# Altium PCB PCB1.PcbDoc (part 1 of 2) (continued)
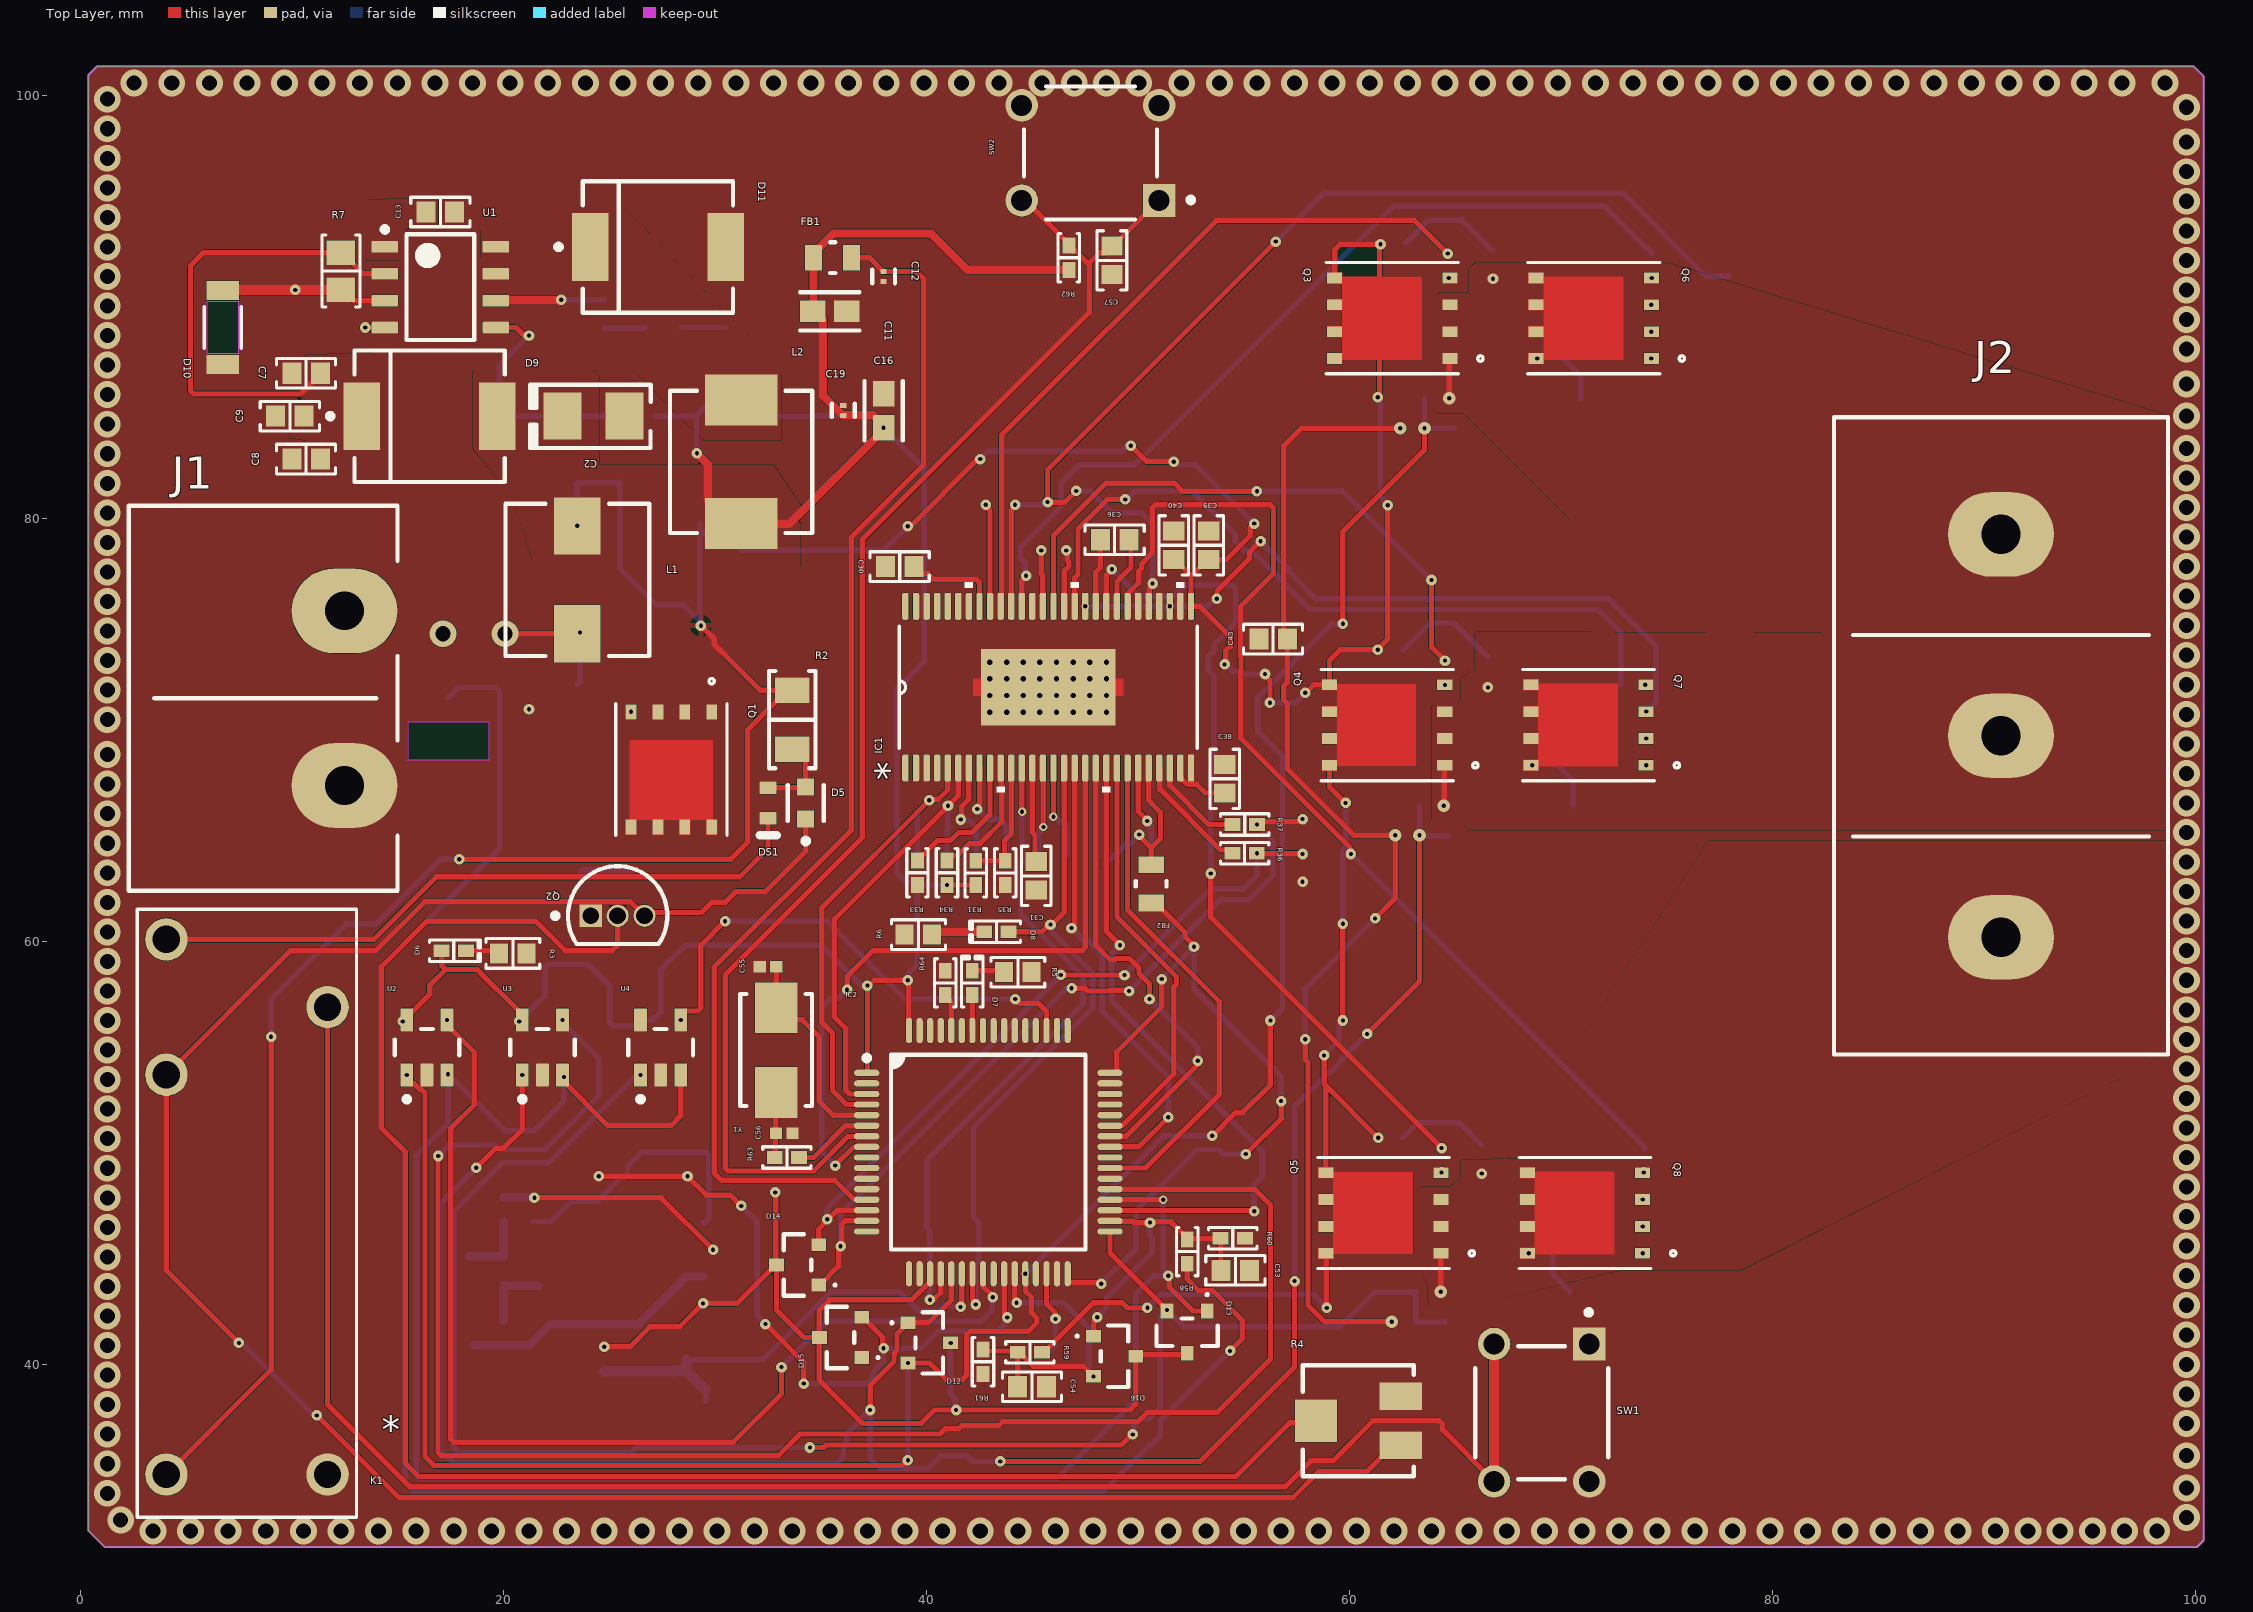
[diagram p0: Top Layer view]
## Components (designator, comment, footprint, x,y, rotation, side; value= is the part's Value field where it differs from the comment)
C1 "100 µF" "CAP POL 1411_3528" 23.622,76.073 r90 bottom
C2 "100 µF" "CAP POL 1411_3528" 24.257,84.836 r0 top
C3 "100 µF" "CAP POL 1411_3528" 30.734,79.756 r0 bottom
C4 "100 µF" "CAP POL 1411_3528" 30.734,74.93 r0 bottom
C5 "4700pF" "CAP 0603_1608" 24.765,89.662 r90 bottom
C6 "4700pF" "CAP 0603_1608" 22.733,89.662 r90 bottom
C7 "4700pF" "CAP 0603_1608" 10.668,86.868 r0 top
C8 "4700pF" "CAP 0603_1608" 10.668,82.804 r0 top
C9 "4700pF" "CAP 0603_1608" 9.906,84.836 r0 top
C10 "4700pF" "CAP 0603_1608" 12.7,89.027 r0 bottom
C11 "GRM188R60J106ME47D" FP-GRM188-0_1-e0_2_0_55-IPC_A 35.433,89.789 r0 top
C12 "GRM033R60J104KE19D" FP-GRM033-0_03-MFG 37.973,91.44 r270 top
C13 "1000pF" "CAP 0603_1608" 17.018,94.488 r180 top
C14 "1000pF" "CAP 0603_1608" 29.845,83.058 r0 bottom
C15 "1000pF" "CAP 0603_1608" 29.805,84.836 r0 bottom
C16 "GRM188R60J106ME47D" FP-GRM188-0_1-e0_2_0_55-IPC_A 37.973,85.09 r90 top
C17 "GRM155R61A105KE15D" FP-GRM15-0_1-MFG 37.592,85.09 r90 bottom value=1uF
C18 "GRM033R60J104KE19D" FP-GRM033-0_03-MFG 36.068,85.106 r90 bottom
C19 "GRM033R60J104KE19D" FP-GRM033-0_03-MFG 36.068,85.106 r90 top
C20 "GRM033R60J104KE19D" FP-GRM033-0_03-MFG 34.544,85.09 r90 bottom
C21 "GRM033R60J104KE19D" FP-GRM033-0_03-MFG 33.02,84.582 r270 bottom
C22 "10nF" "CAP 0603_1608" 66.788,92.006 r90 bottom
C23 "10nF" "CAP 0603_1608" 66.548,72.771 r90 bottom
C24 "10nF" "CAP 0603_1608" 66.253,49.7 r90 bottom
C25 "10nF" "CAP 0603_1608" 71.614,85.656 r180 bottom
C26 "10nF" "CAP 0603_1608" 71.247,66.421 r180 bottom
C27 "10nF" "CAP 0603_1608" 71.079,43.416 r180 bottom
C28 "1nF" "CAP 0603_1608" 80.885,88.069 r90 bottom
C29 "1nF" "CAP 0603_1608" 80.772,69.977 r270 bottom
C30 "100nF" "CAP 0603_1608" 38.735,77.724 r180 top
C31 "2.2uF" "CAP 0603_1608" 45.195,63.099 r90 top
C32 "100nF" "CAP 0603_1608" 43.561,80.645 r180 bottom
C33 "22nF" "CAP 0603_1608" 45.961,64.13 r0 bottom
C34 "100nF" "CAP 0603_1608" 46.101,78.486 r180 bottom
C35 "1uF" "CAP 0603_1608" 50.876,63.489 r180 bottom
C36 "100nF" "CAP 0603_1608" 48.895,78.994 r180 top
C37 "100nF" "CAP 0603_1608" 48.423,62.981 r270 bottom
C38 "1uF" "CAP 0603_1608" 54.102,67.691 r90 top
C39 "0.1upF" "CAP 0603_1608" 53.347,78.729 r270 top
C40 "4.7uF" "CAP 0603_1608" 51.696,78.729 r270 top
C41 "2.2nF" "CAP 0603_1608" 57.785,63.5 r270 bottom
C42 "2.2nF" "CAP 0603_1608" 57.785,66.548 r90 bottom
C43 "1nF" "CAP 0603_1608" 56.388,74.295 r180 top
C44 "1nF" "CAP 0603_1608" 15.24,56.896 r270 bottom
C45 "1nF" "CAP 0603_1608" 15.24,53.086 r90 bottom
C46 "1nF" "CAP 0603_1608" 20.701,56.896 r270 bottom
C47 "1nF" "CAP 0603_1608" 20.701,52.959 r90 bottom
C48 "1nF" "CAP 0603_1608" 26.289,56.896 r270 bottom
C49 "1nF" "CAP 0603_1608" 26.289,52.959 r90 bottom
C50 "10nF" "CAP 0603_1608" 20.007,44.412 r90 bottom
C51 "10nF" "CAP 0603_1608" 28.008,48.857 r0 bottom
C52 "10nF" "CAP 0603_1608" 33.528,48.133 r180 bottom
C53 "1nF" "CAP 0603_1608" 54.61,44.45 r180 top
C54 "1nF" "CAP 0603_1608" 44.991,38.944 r180 top
C55 "0402YA240JAT2A" CAPC1005X56X25LL10T15 32.512,58.801 r180 top value=8pF
C56 "0402YA240JAT2A" CAPC1005X56X25LL10T15 33.274,50.927 r0 top value=8pF
C57 "100nF" "CAP 0603_1608" 48.768,92.202 r90 top
C58 "2.2uF" "CAP 0603_1608" 45.847,40.005 r270 bottom
D1 "smbj30ca-tr" SMBJ30CA-TR 15.494,65.799 r90 bottom
D2 "zmm5v6" ZMM5V6 27.686,63.246 r0 bottom
D3 "zmm5v6" ZMM5V6 23.749,65.024 r270 bottom
D4 "zmm5v6" ZMM5V6 21.209,69.088 r270 bottom
D5 "LTST-C190GKT" FP-LTST-C190GKT-MFG 34.29,66.548 r90 top
D6 "Yellow" "LED 0402_1005 YELLOW" 17.653,59.563 r0 top
D7 "Yellow" "LED 0402_1005 YELLOW" 42.164,58.039 r90 top
D8 "Yellow" "LED 0402_1005 YELLOW" 43.307,60.452 r180 top
D9 "SS34-E3/57T" FP-95402-MFG 16.51,84.836 r0 top
D10 "zmm3v3" ZMM5V6 6.731,89.027 r270 top
D11 "SS34-E3/57T" FP-95402-MFG 27.305,92.837 r0 top
D12 "BAT54C" NXP-SOT23-3_V 40.132,41.021 r90 top
D13 "BAT54C" NXP-SOT23-3_V 52.324,41.529 r0 top
D14 "BAT54C" NXP-SOT23-3_V 33.909,44.704 r270 top
D15 "BAT54C" NXP-SOT23-3_V 35.941,41.275 r270 top
D16 "BAT54C" NXP-SOT23-3_V 48.895,40.386 r90 top
DS1 "TLMS1100-GS08" VISH-TLMX1100_V 32.512,66.548 r270 top
F1 "SF-2923UC60C-2" FP-SF-2923-MFG 18.669,78.105 r270 bottom value=0.00065Ω
FB1 "MPZ2012S601AT000" FP-MPZ2012-MFG 35.56,92.329 r0 top
FB2 "MPZ2012S601AT000" FP-MPZ2012-MFG 50.622,62.727 r90 top
IC1 "drv8302dca" DRV8302DCA 45.758,72.022 r90 top
IC2 "STM32F446RET7" "ST LQFP-64 10X10MM" 42.926,50.038 r0 top
J1 "4DB-P108-02" "TE 4DB-P108-02" 8.636,71.501 r90 top
J2 "NC6-P108-03" "TE NC6-P108-03" 90.805,69.723 r270 top
K1 "12v relay" "12V relay" 7.747,45.847 r180 top
L1 "1 µH" "WURTH WE-HCI 7040" 23.495,77.099 r90 top
L2 "IHLP2525CZER6R8M01" FP-IHLP-2525CZ-FP_2_413x3-MFG 31.242,82.677 r270 top
Q1 "IRF77440" IRF77440 28.194,73.718 r270 top
Q2 "BC547B" ONSC-TO-92-3-29-11 25.4,61.214 r0 top
Q3 "IRF77440" IRF77440 67.608,89.212 r180 top
Q4 "IRF77440" IRF77440 67.368,69.977 r180 top
Q5 "IRF77440" IRF77440 67.2,46.906 r180 top
Q6 "IRF77440" IRF77440 77.133,89.212 r180 top
Q7 "IRF77440" IRF77440 76.893,69.977 r180 top
Q8 "IRF77440" IRF77440 76.725,46.906 r180 top
Q9 "MMBT3904-7-F" FP-SOT23-IPC_A 28.643,39.245 r90 bottom
R1 "10 kOhms" "RES 0603_1608" 23.495,71.501 r90 bottom
R2 "1 kOhms" "RES 1206_3216" 33.655,70.485 r90 top
R3 "2.2k" "RES 0603_1608" 20.447,59.436 r180 top
R4 "TS53YJ104MR10" FP-TS53YJ-MFG 60.42,37.338 r90 top
R5 "2.2k" "RES 0603_1608" 44.323,58.547 r180 top
R6 "2.2k" "RES 0603_1608" 39.624,60.325 r0 top
R7 "15 kOhms" "RES 0805_2012" 12.319,91.694 r90 top
R8 "27 kOhms" "RES 0805_2012" 27.559,89.027 r180 bottom
R9 "15 kOhms" "RES 0805_2012" 10.16,89.916 r90 bottom
R10 "2.21 kOhms" "RES 0805_2012" 31.369,89.027 r180 bottom
R11 "10 k" "RES 0805_2012" 26.289,84.836 r0 bottom
R12 "270" "RES 0805_2012" 22.606,84.836 r0 bottom
R13 "3.3k" "RES 0805_2012" 18.923,84.836 r0 bottom
R14 "22 Ohms" "RES 0402_1005" 62.089,93.022 r180 bottom
R15 "22 Ohms" "RES 0402_1005" 61.976,73.787 r180 bottom
R16 "22 Ohms" "RES 0402_1005" 61.935,50.716 r180 bottom
R17 "22 Ohms" "RES 0402_1005" 64.643,91.948 r90 bottom
R18 "22 Ohms" "RES 0402_1005" 64.516,72.704 r90 bottom
R19 "22 Ohms" "RES 0402_1005" 64.354,49.656 r90 bottom
R20 "22 Ohms" "RES 0402_1005" 69.455,87.561 r180 bottom
R21 "22 Ohms" "RES 0402_1005" 69.215,68.326 r180 bottom
R22 "22 Ohms" "RES 0402_1005" 69.088,45.212 r180 bottom
R23 "22 Ohms" "RES 0402_1005" 74.295,91.948 r90 bottom
R24 "22 Ohms" "RES 0402_1005" 73.406,72.136 r180 bottom
R25 "22 Ohms" "RES 0402_1005" 73.914,49.657 r90 bottom
R26 "C154668" C154668 77.964,88.323 r90 bottom
R27 "C154668" C154668 77.851,70.231 r270 bottom
R28 "10k" "RES 0402_1005" 40.97,63.246 r90 bottom
R29 "10k" "RES 0402_1005" 39.573,63.246 r90 bottom
R30 "30k" "RES 0402_1005" 42.367,63.246 r90 bottom
R31 "100k Ohms" "RES 0402_1005" 42.328,63.24 r90 top
R32 "10k" "RES 0402_1005" 43.78,63.259 r90 bottom
R33 "10k" "RES 0402_1005" 39.573,63.246 r90 top
R34 "10k" "RES 0402_1005" 40.97,63.246 r90 top
R35 "3.3k Ohms" "RES 0402_1005" 43.725,63.24 r270 top
R36 "47 Ohms" "RES 0402_1005" 55.045,64.175 r180 top
R37 "47 Ohms" "RES 0402_1005" 55.051,65.532 r180 top
R38 "47k" "RES 0402_1005" 62.978,84.259 r0 bottom
R39 "47k" "RES 0402_1005" 64.121,85.656 r0 bottom
R40 "47k" "RES 0402_1005" 62.738,65.024 r0 bottom
R41 "47k" "RES 0402_1005" 63.881,66.421 r0 bottom
R42 "47k" "RES 0402_1005" 62.57,42.019 r0 bottom
R43 "47k" "RES 0402_1005" 63.713,43.416 r0 bottom
R44 "10k" "RES 0402_1005" 64.935,83.68 r90 bottom
R45 "10k" "RES 0402_1005" 64.643,64.389 r90 bottom
R46 "10k" "RES 0402_1005" 64.516,41.402 r90 bottom
R47 "10k" "RES 0402_1005" 17.399,56.769 r270 bottom
R48 "10k" "RES 0402_1005" 22.86,56.769 r270 bottom
R49 "10k" "RES 0402_1005" 28.448,56.769 r270 bottom
R50 "12k" "RES 0402_1005" 21.404,47.333 r270 bottom
R51 "2.2 Ohms" "RES 0402_1005" 18.356,44.539 r90 bottom
R52 "270 Ohms" "RES 0402_1005" 20.007,47.333 r90 bottom
R53 "1k" "RES 0402_1005" 25.087,48.857 r180 bottom
R54 "2.2 Ohms" "RES 0402_1005" 21.658,44.285 r270 bottom
R55 "270 Ohms" "RES 0402_1005" 20.007,41.491 r270 bottom
R56 "12 kOhms" "RES 0402_1005" 18.61,41.491 r270 bottom
R57 "33k" "RES 0402_1005" 24.765,40.259 r90 bottom
R58 "33k" "RES 0402_1005" 52.324,45.339 r270 top
R59 "33k" "RES 0402_1005" 44.89,40.57 r0 top
R60 "3.3k Ohms" "RES 0402_1005" 54.483,45.974 r180 top
R61 "3.3k Ohms" "RES 0402_1005" 42.672,40.132 r90 top
R62 "10k" "RES 0402_1005" 46.736,92.329 r270 top
R63 "50" "RES 0402_1005" 33.401,49.784 r180 top
R64 "10k" "RES 0402_1005" 40.894,58.039 r270 top
SW1 "3-1825910-1" FP-3-1825910-1-MFG 69.088,37.719 r270 top
SW2 "3-1825910-1" FP-3-1825910-1-MFG 47.752,97.282 r180 top
U1 "TPS54331D" D0008A_L 17.018,90.932 r0 top
U2 "LMV321IDBVR" FP-DBV0005A-MFG 16.383,54.991 r90 top
U3 "LMV321IDBVR" FP-DBV0005A-MFG 21.844,54.991 r90 top
U4 "LMV321IDBVR" FP-DBV0005A-MFG 27.432,54.991 r90 top
U5 "MCP6002-I/SN" SOIC-SN8_M 26.992,44.793 r180 bottom
Y1 "16 MHz" "NDK NX5032GA" 32.893,54.864 r90 top

## Footprints (in the part's own frame and the unit in brackets; to place one, negate y for a bottom-side part, rotate by r counter-clockwise, add the part's x,y. Pads: shape width x height; smd on the part's side, far side on the other; paste and mask are expansions set on the pad)
"12V relay" [mil]
  round 79 / inner round 60 / far side round 79 hole 51 paste-39.5 mask+0: 1(-155,435) 2(-155,-435.08) 3(145,-561.06) 4(145,-309.09) 5(145,435)
  silkscreen extent -209,-617 199,515, body extent -204,-612 194,510, height 484
C154668 [mil] "0.1ohm 2W sense %1"
  rect 59x146 smd: 1(-123,0) 2(123,0)
  Top Layer keep-out region: -91.5,-71 -91.5,71 91.5,71 91.5,-71
  silkscreen extent -80,-69 80,69, body extent -128,-64 128,64, height 33
"CAP 0603_1608" [mm] "Chip Capacitor, 2-Leads, Body 1.60x0.80mm, IPC Medium Density"
  rect 0.9x1 smd: 1(-0.675,0) 2(0.675,0)
  silkscreen extent -1.4,-0.7 1.4,0.7, body extent -0.8,-0.41 0.8,0.41, height 0.82
"CAP POL 1411_3528" [mm] "Molded Capacitor, 2-Leads, Body 3.50x2.80mm, IPC Medium Density"
  rect 1.8x2.23 smd: 1(-1.46,0) 2(1.46,0)
  silkscreen extent -3,-1.5 2.71,1.48, body extent -1.87,-1.45 1.87,1.45, height 2
CAPC1005X56X25LL10T15 [mm] "Chip Capacitor, 2-Leads, Body 1.00x0.50mm, IPC High Density"
  rect 0.58x0.54 smd: 1(-0.39,0) 2(0.39,0)
  body extent -0.55,-0.3 0.55,0.3, height 0.56
D0008A_L [mm] "SOIC, 8-Leads, Body 5x4mm, Pitch 1.27mm, IPC High Density"
  rrect18% 1.25x0.55 smd: 1(-2.625,1.905) 2(-2.625,0.635) 3(-2.625,-0.635) 4(-2.625,-1.905) 5(2.625,-1.905) 6(2.625,-0.635) 7(2.625,0.635) 8(2.625,1.905)
  silkscreen extent -2.75,-2.5 1.6,2.85, body extent -3,-2.45 3,2.45, height 1.63
DRV8302DCA [mil] "56pin motor sürücü,mosfet sürücü"
  rrect50% 50x12 smd: 1(-150.5,265.75) 2(-150.5,246.06) 3(-150.5,226.38) 4(-150.5,206.69) 5(-150.5,187.01) 6(-150.5,167.32) 7(-150.5,147.64) 8(-150.5,127.95) 9(-150.5,108.27) 10(-150.5,88.58) 11(-150.5,68.9) 12(-150.5,49.21) 13(-150.5,29.53) 14(-150.5,9.84) 15(-150.5,-9.84) 16(-150.5,-29.53) 17(-150.5,-49.21) 18(-150.5,-68.9) 19(-150.5,-88.58) 20(-150.5,-108.27) 21(-150.5,-127.95) 22(-150.5,-147.64) 23(-150.5,-167.32) 24(-150.5,-187.01) 25(-150.5,-206.69) 26(-150.5,-226.38) 27(-150.5,-246.06) 28(-150.5,-265.75) 29(150.5,-265.75) 30(150.5,-246.06) 31(150.5,-226.38) 32(150.5,-206.69) 33(150.5,-187.01) 34(150.5,-167.32) 35(150.5,-147.64) 36(150.5,-127.95) 37(150.5,-108.27) 38(150.5,-88.58) 39(150.5,-68.9) 40(150.5,-49.21) 41(150.5,-29.53) 42(150.5,-9.84) 43(150.5,9.84) 44(150.5,29.53) 45(150.5,49.21) 46(150.5,68.9) 47(150.5,88.58) 48(150.5,108.27) 49(150.5,127.95) 50(150.5,147.64) 51(150.5,167.32) 52(150.5,187.01) 53(150.5,206.69) 54(150.5,226.38) 55(150.5,246.06) 56(150.5,265.75)
  rect 142.13x250 smd: 57(0,0)
  round 20 / inner round 60 / far side round 20 hole 10: V(-46.5,77.5) V(-46.5,108.5) V(-46.5,-46.5) V(-46.5,-15.5) V(-46.5,15.5) V(-46.5,46.5) V(-46.5,-108.5) V(-46.5,-77.5) V(-15.5,108.5) V(-15.5,77.5) V(-15.5,46.5) V(-15.5,15.5) V(-15.5,-15.5) V(-15.5,-46.5) V(-15.5,-77.5) V(-15.5,-108.5) V(15.5,108.5) V(15.5,77.5) V(15.5,46.5) V(15.5,15.5) V(15.5,-15.5) V(15.5,-46.5) V(15.5,-77.5) V(15.5,-108.5) V(46.5,77.5) V(46.5,108.5) V(46.5,-46.5) V(46.5,-15.5) V(46.5,15.5) V(46.5,46.5) V(46.5,-108.5) V(46.5,-77.5)
  Top Layer region: 15.75,125 -15.75,125 -15.75,139.96 15.75,139.96
  Top Layer region: 15.75,-125 -15.75,-125 -15.75,-139.96 15.75,-139.96
  silkscreen extent -196,-278 196,278, body extent -164,-277 164,277, height 67
FP-3-1825910-1-MFG [mm]
  rect 1.54x1.54 hole 0.99 paste-1000 mask+0: 1(-3.25,2.25)
  round 1.54 hole 0.99 paste-1000 mask+0: 2(3.25,2.25) 3(-3.25,-2.25) 4(3.25,-2.25)
  silkscreen extent -4.87,-3.15 3.15,3.15, body extent -4.12,-3.24 4.12,3.24, height 0.25
FP-95402-MFG [mm]
  rect 1.72x3.2 smd paste+0 mask+0: 1(-3.205,0) 2(3.205,0)
  silkscreen extent -4.82,-3.11 3.55,3.11, body extent -4.17,-3.21 4.17,3.21, height 0.25
FP-DBV0005A-MFG [mm]
  rrect17% 1.1x0.6 smd paste+0 mask+0: 1(-1.3,0.95) 2(-1.3,0) 3(-1.3,-0.95) 4(1.3,-0.95) 5(1.3,0.95)
  silkscreen extent -2.57,-1.53 0.87,1.53, body extent -1.95,-1.78 1.95,1.78, height 0.25
FP-GRM15-0_1-MFG [mm]
  rect 0.4x0.5 smd paste+0 mask+0: 1(-0.4,0) 2(0.4,0)
  silkscreen extent -0.55,-0.63 0.55,0.63, body extent -0.5,-0.25 0.5,0.25, height 0.55
FP-GRM033-0_03-MFG [mm]
  rect 0.25x0.3 smd paste+0 mask+0: 1(-0.238,0) 2(0.238,0)
  silkscreen extent -0.32,-0.54 0.32,0.54, body extent -0.46,-0.27 0.46,0.27, height 0.25
FP-GRM188-0_1-e0_2_0_55-IPC_A [mm]
  rect 1.208x1.012 smd paste+0 mask+0: 1(-0.802,0) 2(0.802,0)
  silkscreen extent -1.41,-0.91 1.41,0.91, body extent -1.91,-1.01 1.91,1.01, height 0.25
FP-IHLP-2525CZ-FP_2_413x3-MFG [mil]
  rect 95x135 smd paste+0 mask+0: 1(-115,0) 2(115,0)
  silkscreen extent -132,-132 132,132, body extent -166,-136 166,136, height 10
FP-LTST-C190GKT-MFG [mm]
  rect 0.8x0.8 smd paste+0 mask+0: 1(-0.75,0) 2(0.75,0)
  silkscreen extent -1.92,-0.85 0.85,0.85, body extent -1.25,-0.55 1.25,0.55, height 0.25
FP-MPZ2012-MFG [mm]
  rect 0.8x1.2 smd paste+0 mask+0: 1(-0.9,0) 2(0.9,0)
  silkscreen extent -0.13,-0.72 0.13,0.72, body extent -1.4,-0.82 1.4,0.82, height 0.25
FP-SF-2923-MFG [mm]
  rect 2.7x5.8 smd paste+0 mask+0: 1(-3.55,0) 2(3.55,0)
  silkscreen extent -1.83,-3.05 1.83,3.05, body extent -3.65,-2.9 3.65,2.9, height 4.23
FP-SOT23-IPC_A [mm]
  rect 1.659x0.627 smd paste+0 mask+0: 1(-0.977,0.915)
  rrect100% 1.659x0.627 smd paste+0 mask+0: 2(-0.977,-0.915) 3(0.977,0)
  silkscreen extent 0.23,-1.45 0.65,1.45, body extent -1.2,-1.45 1.2,1.45, height 1.1
FP-TS53YJ-MFG [mm]
  rect 1.3x2 smd paste+0 mask+0: 1(1.15,-2) 3(-1.15,-2)
  rect 2x2 smd paste+0 mask+0: 2(0,2)
  silkscreen extent -2.63,-2.63 2.63,2.63, body extent -2.73,-3.1 2.73,3.1, height 0.25
IRF77440 [mil]
  rect 28x20 smd paste-10 mask+0: 1(112.72,65) 2(112.72,15) 3(112.72,-35) 4(112.72,-85) 5(327.28,-85) 6(327.28,-35) 7(327.28,15) 8(327.28,65)
  Top Layer region: 165.28,-87 165.28,67 313.28,67 313.28,75 341.28,75 341.28,55 313.28,55 313.28,25 341.28,25 341.28,5 313.28,5 313.28,-25 341.28,-25 341.28,-45 313.28,-45 313.28,-75 341.28,-75 341.28,-95 313.28,-95 313.28,-87
  silkscreen extent 51,-113 343,94
"LED 0402_1005 YELLOW" [mm] "Chip Diode, 2-Leads, Body 1.00x0.50mm, IPC Medium Density"
  rect 0.75x0.6 smd: 1(-0.575,0) 2(0.575,0)
  silkscreen extent -1.14,-0.51 1.27,0.51, body extent -0.5,-0.25 0.5,0.25, height 0.21
"NDK NX5032GA" [mm] "Crystal, 2-Leads, Body 5.00x3.20mm, IPC Medium Density"
  rect 2.4x2 smd: 1(-2,0) 2(2,0)
  silkscreen extent -2.65,-1.7 2.65,1.7, body extent -2.5,-1.6 2.5,1.6, height 1.2
NXP-SOT23-3_V [mm] "SOT23, 3-Leads, Body 1.3x2.9mm, Pitch 0.95mm"
  rect 0.6x0.7 smd paste-0.05: 1(0.95,1) 2(-0.95,1) 3(0,-1)
  silkscreen extent -1.45,-0.65 1.45,1.79, body extent -1.45,-0.65 1.45,0.65, height 1.1
ONSC-TO-92-3-29-11 [mm] "TO, 3-Leads, Body Dia 4.7mm, Pitch 1.27mm"
  rect 1.05x1.05 hole 0.8: 1(-1.27,0)
  round 1.05 hole 0.8: 2(0,0) 3(1.27,0)
  silkscreen extent -3.07,-1.34 2.35,2.35, body extent -2.35,-1.33 2.36,2.36, height 7.87
"RES 0402_1005" [mm] "Chip Resistor, 2-Leads, Body 1.0x0.5mm, IPC Medium Density"
  rect 0.75x0.6 smd: 1(-0.575,0) 2(0.575,0)
  silkscreen extent -1.14,-0.51 1.14,0.51, body extent -0.5,-0.25 0.5,0.25, height 0.35
"RES 0603_1608" [mm] "Chip Resistor, 2-Leads, Body 1.60x0.80mm, IPC Medium Density"
  rect 0.85x0.95 smd: 1(-0.65,0) 2(0.65,0)
  silkscreen extent -1.27,-0.7 1.27,0.7, body extent -0.8,-0.4 0.8,0.4, height 0.45
"RES 0805_2012" [mm] "Chip Resistor, 2-Leads, Body 2.00x1.25mm, IPC Medium Density"
  rect 1.15x1.35 smd: 1(-0.875,0) 2(0.875,0)
  silkscreen extent -1.7,-0.9 1.7,0.9, body extent -1,-0.62 1,0.63, height 0.6
"RES 1206_3216" [mm] "Chip Resistor, 2-Leads, Body 3.13x1.55mm, IPC Medium Density"
  rect 1.2x1.65 smd: 1(-1.4,0) 2(1.4,0)
  silkscreen extent -2.3,-1.1 2.3,1.1, body extent -1.6,-0.8 1.6,0.8, height 0.6
SMBJ30CA-TR [mil]
  rect 87x89 smd paste+0 mask+0: 1(64.5,75) 2(225.5,75)
  Top Layer keep-out region: 110,-1 110,151 180,151 180,-1
  Keep-Out Layer region: 110,-1 110,151 180,151 180,-1
  silkscreen extent -54,-8 240,158, body extent 35,-3 255,153, height 104
SOIC-SN8_M [mm] "SOIC, 8-Leads, Body 4.9x3.9mm, Pitch 1.27mm, IPC Low Density"
  oval 2.5x0.7 smd: 1(-2.45,1.905) 2(-2.45,0.635) 3(-2.45,-0.635) 4(-2.45,-1.905) 5(2.45,-1.905) 6(2.45,-0.635) 7(2.45,0.635) 8(2.45,1.905)
  silkscreen extent -2.58,-2.5 0.8,2.93, body extent -2,-2.5 2,2.5, height 1.75
"ST LQFP-64 10X10MM" [mm] "LQFP, 64-Leads, Body 10.00x10.00mm, Pitch 0.50mm, IPC Medium Density"
  oval 1.2x0.3 smd: 1(-5.75,3.75) 2(-5.75,3.25) 3(-5.75,2.75) 4(-5.75,2.25) 5(-5.75,1.75) 6(-5.75,1.25) 7(-5.75,0.75) 8(-5.75,0.25) 9(-5.75,-0.25) 10(-5.75,-0.75) 11(-5.75,-1.25) 12(-5.75,-1.75) 13(-5.75,-2.25) 14(-5.75,-2.75) 15(-5.75,-3.25) 16(-5.75,-3.75) 33(5.75,-3.75) 34(5.75,-3.25) 35(5.75,-2.75) 36(5.75,-2.25) 37(5.75,-1.75) 38(5.75,-1.25) 39(5.75,-0.75) 40(5.75,-0.25) 41(5.75,0.25) 42(5.75,0.75) 43(5.75,1.25) 44(5.75,1.75) 45(5.75,2.25) 46(5.75,2.75) 47(5.75,3.25) 48(5.75,3.75)
  oval 0.3x1.2 smd: 17(-3.75,-5.75) 18(-3.25,-5.75) 19(-2.75,-5.75) 20(-2.25,-5.75) 21(-1.75,-5.75) 22(-1.25,-5.75) 23(-0.75,-5.75) 24(-0.25,-5.75) 25(0.25,-5.75) 26(0.75,-5.75) 27(1.25,-5.75) 28(1.75,-5.75) 29(2.25,-5.75) 30(2.75,-5.75) 31(3.25,-5.75) 32(3.75,-5.75) 49(3.75,5.75) 50(3.25,5.75) 51(2.75,5.75) 52(2.25,5.75) 53(1.75,5.75) 54(1.25,5.75) 55(0.75,5.75) 56(0.25,5.75) 57(-0.25,5.75) 58(-0.75,5.75) 59(-1.25,5.75) 60(-1.75,5.75) 61(-2.25,5.75) 62(-2.75,5.75) 63(-3.25,5.75) 64(-3.75,5.75)
  silkscreen extent -5.87,-4.6 4.6,4.6, body extent -6.01,-6.01 6.01,6.01, height 1.6
"TE 4DB-P108-02" [mm] "Assembly, Dual Barrier 4DB P108"
  oval 4x5 hole 1.829: 1(-4.127,-3.85) 2(4.127,-3.85)
  silkscreen extent -9.1,-6.35 9.1,6.35, body extent -9.08,-6.35 9.08,6.35, height 14.48
"TE NC6-P108-03" [mm]
  oval 4x5 hole 1.854: 1(-9.525,0) 2(0,0) 3(9.526,0)
  silkscreen extent -15.06,-7.9 15.06,7.9, body extent -15.07,-7.94 15.05,7.94, height 16.38
VISH-TLMX1100_V [mm] "SMD, 2-Leads, Body 1.6x0.8mm"
  rect 0.6x0.8 smd: 1(-0.725,0) 2(0.725,0)
  silkscreen extent 1.53,-0.4 1.53,0.4, body extent -0.8,-0.4 0.8,0.4, height 0.65
"WURTH WE-HCI 7040" [mm]
  rect 2.7x2.2 smd: 1(-2.55,0) 2(2.55,0)
  silkscreen extent -3.6,-3.4 3.6,3.4, body extent -3.49,-3.45 3.49,3.45, height 4
ZMM5V6 [mil]
  rect 36x61 smd paste+0 mask+0: 1(-69,0) 2(69,0)
  Top Layer keep-out region: -49,-28.5 -49,28.5 49,28.5 49,-28.5
  silkscreen extent -39,-34 39,34, body extent -71,-29 71,29, height 59

## Part data
C1 C2 C3 C4: library part T495B107M006ATE700, "CAP TANT 100UF 20% 6.3V 1411", Device Package="1411 (3528 Metric)", ESR (Equivalent Series Resistance)=700mOhm, Lifetime @ Temp.="2000 Hrs @ 85°C", Manufacturer=KEMET, Manufacturer Size Code=B, Operating Temperature="-55°C ~ 125°C", Supplier Part Number 1=399-3875-1-ND, Tolerance=±20%, Voltage - Rated="6.3 V", Capacitance="100 µF", ComponentLink1Description=Datasheet, ComponentLink1URL=https://api.kemet.com/component-edge/download/datasheet/T495B107M006ATE700.pdf, ComponentLink2Description="DigiKey Link", ComponentLink2URL=https://www.digikey.com/en/products/detail/kemet/T495B107M006ATE700/818735, Features="General Purpose", Height - Seated (Max)="0.083\" (2.10mm)", LastUpdated="3.10.2023 19:55:50", Lifecycle Status=Active, Minimum Order=1, Mounting Type="Surface Mount", Package / Case="1411 (3528 Metric)", Packaging=TapeAndReel, Part Number=T495B107M006ATE700, Part Status=Active, PartId=29, Price=0.54, Series=T495, Size / Dimension="0.138\" L x 0.110\" W (3.50mm x 2.80mm)", Supplier 1=DigiKey, Type=Molded
C5 C6 C7 C8 C9 C10: library part 06035C472JAT2A, "CAP CER 4700PF 50V X7R 0603", Device Package="0603 (1608 Metric)", Manufacturer="AVX Corporation", Operating Temperature="-55°C ~ 125°C", Supplier Part Number 1=478-10355-1-ND, Temperature Coefficient=X7R, Tolerance=±5%, Voltage - Rated=50V, Applications="General Purpose", Capacitance=4700pF, ComponentLink1Description=Datasheet, ComponentLink1URL=http://datasheets.avx.com/X7RDielectric.pdf, ComponentLink2Description="DigiKey Link", ComponentLink2URL=http://digikey.com/product-detail/en/avx-corporation/06035C472JAT2A/478-10355-1-ND/6797516, LastUpdated="2.09.2020 01:03:35", Lifecycle Status=Active, Minimum Order=1, Mounting Type="Surface Mount, MLCC", Package / Case="0603 (1608 Metric)", Packaging=TapeAndReel, Part Number=06035C472JAT2A, Part Status=Active, PartId=2778, Price=0.02, Series=-, Size / Dimension="0.063\" L x 0.032\" W (1.60mm x 0.81mm)", Supplier 1=DigiKey, Thickness (Max)="0.035\" (0.90mm)"
C11 C16: library part CMP-2006-02792-2, "Chip Multilayer Ceramic Capacitors for General Purpose, 0603, 10uF, X5R, 15%, 20%, 6.3V", Capacitance=10uF, Case Code (Metric)=1608, Case Code (Imperial)=0603, Dielectric=X5R, Max Operating Temperature=85°C, Min Operating Temperature=-55°C, Package Quantity=4000, Tolerance=20%, Voltage=6.3V, Case/Package=0603, Depth=0.8mm, Height=0.8mm, Lead Free="Lead Free", Length=1.6mm, Material=Ceramic, Mount="Surface Mount", Packaging="Tape and Reel", Radiation Hardening=No, REACH SVHC="No SVHC", Termination=SMD/SMT, Thickness=0.035inch, Voltage Rating=6.3V, Voltage Rating (DC)=6.3V, Width=0.031inch
C12 C18 C19 C20 C21: library part CMP-06035-000062-2, "Chip Multilayer Ceramic Capacitors for General Purpose, 0201, 0.10uF, X5R, 15%, 10%, 6.3V", Capacitance=100nF, Case Code (Metric)=0603, Case Code (Imperial)=0201, Dielectric=X5R, Max Operating Temperature=85°C, Min Operating Temperature=-55°C, Package Quantity=1, Tolerance=10%, Voltage=6.3V, Case/Package=0201, Depth=0.3mm, Height=0.3mm, Lead Free="Lead Free", Length=0.6mm, Material=Ceramic, Mount="Surface Mount", Packaging="Tape and Reel", Radiation Hardening=No, REACH SVHC="No SVHC", Termination=SMD/SMT, Thickness=0.013inch, Voltage Rating=6.3V, Voltage Rating (DC)=6.3V, Weight=6E-06oz, Width=0.012inch
C13 C14 C15 C22 C23 C24 C25 C26 C27 C28 C29 C30 C32 C34 C36 C37 C38 C40 C41 C42 C43 C44 C45 C46 C47 C48 C49 C50 C51 C52 C53 C54 C57 C58: library part 0603ZC102KAT2A, "CAP CER 1000PF 10V X7R 0603", Device Package="0603 (1608 Metric)", Manufacturer="AVX Corporation", Operating Temperature="-55°C ~ 125°C", Supplier Part Number 1=478-0603ZC102KAT2ACT-ND, Temperature Coefficient=X7R, Tolerance=±10%, Voltage - Rated=10V, Applications="General Purpose", ComponentLink1Description=Datasheet, ComponentLink1URL=http://datasheets.avx.com/X7RDielectric.pdf, ComponentLink2Description="DigiKey Link", ComponentLink2URL=http://digikey.com/product-detail/en/avx-corporation/0603ZC102KAT2A/478-0603ZC102KAT2ACT-ND/11570315, LastUpdated="2.09.2020 01:02:55", Lifecycle Status=Active, Minimum Order=1, Mounting Type="Surface Mount, MLCC", Package / Case="0603 (1608 Metric)", Packaging=TapeAndReel, Part Number=0603ZC102KAT2A, Part Status=Active, PartId=27370, Price=0.01, Series=-, Supplier 1=DigiKey
  C13 C14 C15: Capacitance=1000pF
  C22 C23 C24 C25 C26 C27 C50 C51 C52: Capacitance=10nF
  C28 C29 C43 C44 C45 C46 C47 C48 C49 C53 C54: Capacitance=1nF
  C30 C32 C34 C36 C37 C57: Capacitance=100nF
  C38: Capacitance=1uF
  C40: Capacitance=4.7uF
  C41 C42: Capacitance=2.2nF
  C58: Capacitance=2.2uF
C17: library part CMP-2008-04556-2, "CAP CER 1UF 10V X5R 0402", Capacitance=1uF, Manufacturer=Murata, Package=GRM15-0.1, Temperature="-55°C to +85°C", Temperature Characteristic=X5R, Temperature Coefficient=15%, Temperature Range High=+85°C, Temperature Range Low=-55°C, Tolerance=10%, Voltage Rating=10V, Automotive=No, Category=Cap, ComponentLink2Description=Datasheet, ComponentLink2URL=https://search.murata.co.jp/Ceramy/image/img/A01X/G101/ENG/GRM155R61A105KE15-01A.pdf, Device Class L1="Passive Components", Device Class L2=Capacitors, Device Class L3="Ceramic Capacitors", Digikey Description="CAP CER 1UF 10V X5R 0402", Height=0.55mm, Lead Free=Yes, Manufacturer Part Number=GRM155R61A105KE15D, Material=Ceramic, Mouser Description="0402 1 uF 10 V ±10% Tolerance X5R Surface Mount Multilayer Ceramic Capacitor", Octopart=https://octopart.com/grm155r61a105ke15d-murata-197442, RoHS=TRUE, Ipc Land Pattern Name=CAPC10050X50
C31 C33 C35: library part 0603ZC102KAT2A, "CAP CER 1000PF 10V X7R 0603", Capacitance=2.2nF, Device Package="0603 (1608 Metric)", Manufacturer="AVX Corporation", Operating Temperature="-55°C ~ 125°C", Supplier Part Number 1=478-0603ZC102KAT2ACT-ND, Temperature Coefficient=X7R, Tolerance=±10%, Voltage - Rated=10V, Applications="General Purpose", ComponentLink1Description=Datasheet, ComponentLink1URL=http://datasheets.avx.com/X7RDielectric.pdf, ComponentLink2Description="DigiKey Link", ComponentLink2URL=http://digikey.com/product-detail/en/avx-corporation/0603ZC102KAT2A/478-0603ZC102KAT2ACT-ND/11570315, LastUpdated="2.09.2020 01:02:55", Lifecycle Status=Active, Minimum Order=1, Mounting Type="Surface Mount, MLCC", Package / Case="0603 (1608 Metric)", Packaging=TapeAndReel, Part Number=0603ZC102KAT2A, Part Status=Active, PartId=27370, Price=0.01, Series=-, Supplier 1=DigiKey
C39: library part 0603ZC102KAT2A, "CAP CER 1000PF 10V X7R 0603", Capacitance=0.1uF, Device Package="0603 (1608 Metric)", Manufacturer="AVX Corporation", Operating Temperature="-55°C ~ 125°C", Supplier Part Number 1=478-0603ZC102KAT2ACT-ND, Temperature Coefficient=X7R, Tolerance=±10%, Voltage - Rated=10V, Applications="General Purpose", ComponentLink1Description=Datasheet, ComponentLink1URL=http://datasheets.avx.com/X7RDielectric.pdf, ComponentLink2Description="DigiKey Link", ComponentLink2URL=http://digikey.com/product-detail/en/avx-corporation/0603ZC102KAT2A/478-0603ZC102KAT2ACT-ND/11570315, LastUpdated="2.09.2020 01:02:55", Lifecycle Status=Active, Minimum Order=1, Mounting Type="Surface Mount, MLCC", Package / Case="0603 (1608 Metric)", Packaging=TapeAndReel, Part Number=0603ZC102KAT2A, Part Status=Active, PartId=27370, Price=0.01, Series=-, Supplier 1=DigiKey
C55 C56: library part CMP-2008-02771-1, Manufacturer="AVX Interconnect / Elco", Part Number=0402YA240JAT2A
D5: library part CMP-22017-000005-2, "LED GREEN CLEAR CHIP SMD", Case Code (Metric)=1608, Case Code (Imperial)=0603, Color=Green, Forward Current=30mA, Forward Voltage=2.1V, Lens Color=Colorless, Max Operating Temperature=85°C, Min Operating Temperature=-55°C, Package Quantity=1, Power Dissipation=100mW, Reverse Voltage=5V, Test Current=10mA, Voltage=2V, Case/Package=0603, Depth=0.8mm, Dominant Wavelength=569nm, Height=0.8mm, Lead Free="Lead Free", Length=1.6mm, Lens Style=Clear, Lens Transparency=Clear, Luminous Intensity=6mcd, Mount="Surface Mount", Number of Elements=1, Number of LEDs=1, Number of Pins=2, Packaging="Tape and Reel", Power Rating=100mW, Radiation Hardening=No, Viewing Angle=130°, Wavelength=565nm, Width=0.8mm, Illumination Color=Green
D6 D7 D8: library part 5988A40107F, "SM LED 0402 YEL 590NM", Current - Test=5mA, Device Package="0402 (1005 Metric)", Lens Color=0.60mm, Manufacturer=Dialight, Millicandela Rating=42mcd, Supplier Device Package=0402, Supplier Part Number 1=350-4449-1-ND, Voltage - Forward (Vf) (Typ)=1.8V, Color=Yellow, ComponentLink1Description=Datasheet, ComponentLink1URL=http://www.dialightsignalsandcomponents.com/Assets/Drawings/2D_Drawings_DrawingDetailedSpec/NewDrawings/C18402A.pdf, ComponentLink2Description="DigiKey Link", ComponentLink2URL=https://www.digikey.com/en/products/detail/dialight/5988A40107F/10108965, Configuration=0402, Height (Max)=0.60mm, LastUpdated="8.10.2023 20:19:46", Lens Size="1.00mm x 0.50mm", Lens Style="Rectangle with Flat Top", Lifecycle Status=Active, Minimum Order=1, Mounting Type="Surface Mount", Package / Case="0402 (1005 Metric)", Packaging=TapeAndReel, Part Number=5988A40107F, Part Status=Active, PartId=164, Price=0.06, Series=598, Size / Dimension="1.00mm L x 0.50mm W", Supplier 1=DigiKey, Wavelength - Dominant=591nm
D9 D11: library part CMP-02539-000012-1, "DIODE SCHOTTKY 40V 3A DO214AB", Forward Current=3A, Manufacturer=Vishay, Max Junction Temp=+150°C, Max Repetitive Reverse Voltage=40V, Max Surge Forward Current=100A, Package=95402, Peak Reverse Current=0.5mA, Temperature="-55°C to +150°C", Temperature Range Low=-55°C, Automotive=No, Category=Diode, ComponentLink2Description=Datasheet, ComponentLink2URL=http://www.vishay.com/docs/88751/ss32.pdf, Device Class L1="Discrete Semiconductors", Device Class L2=Diodes, Device Class L3="Schottky Diodes", Digikey Description="DIODE SCHOTTKY 40V 3A DO214AB", Footprint Url=http://www.vishay.com/docs/95402/smc.pdf, Height=2.62mm, Lead Free=Yes, Manufacturer Part Number=SS34-E3/57T, Mouser Description="Schottky Diodes & Rectifiers 3.0 Amp 40 Volt", Octopart=https://octopart.com/ss34-e3%2F57t-vishay-39552907, RoHS=TRUE, Standoff Height=0mm, Temperature Range High=+150°C